# Altium PCB PCB2.PcbDoc (part 4 of 9)
Units mil, origin at the board's own origin, x right, y up, seen from the top; angles counter-clockwise.
Board outline 7580 x 7350 mil, 6 copper layers (Signal 1, Ground 1, 2V5 and 0V6, n2V5 and n0V6, Ground 2, Signal 2), stack 52.268 mil thick; 572 components, 533 nets, 2081 pads, 679 vias.
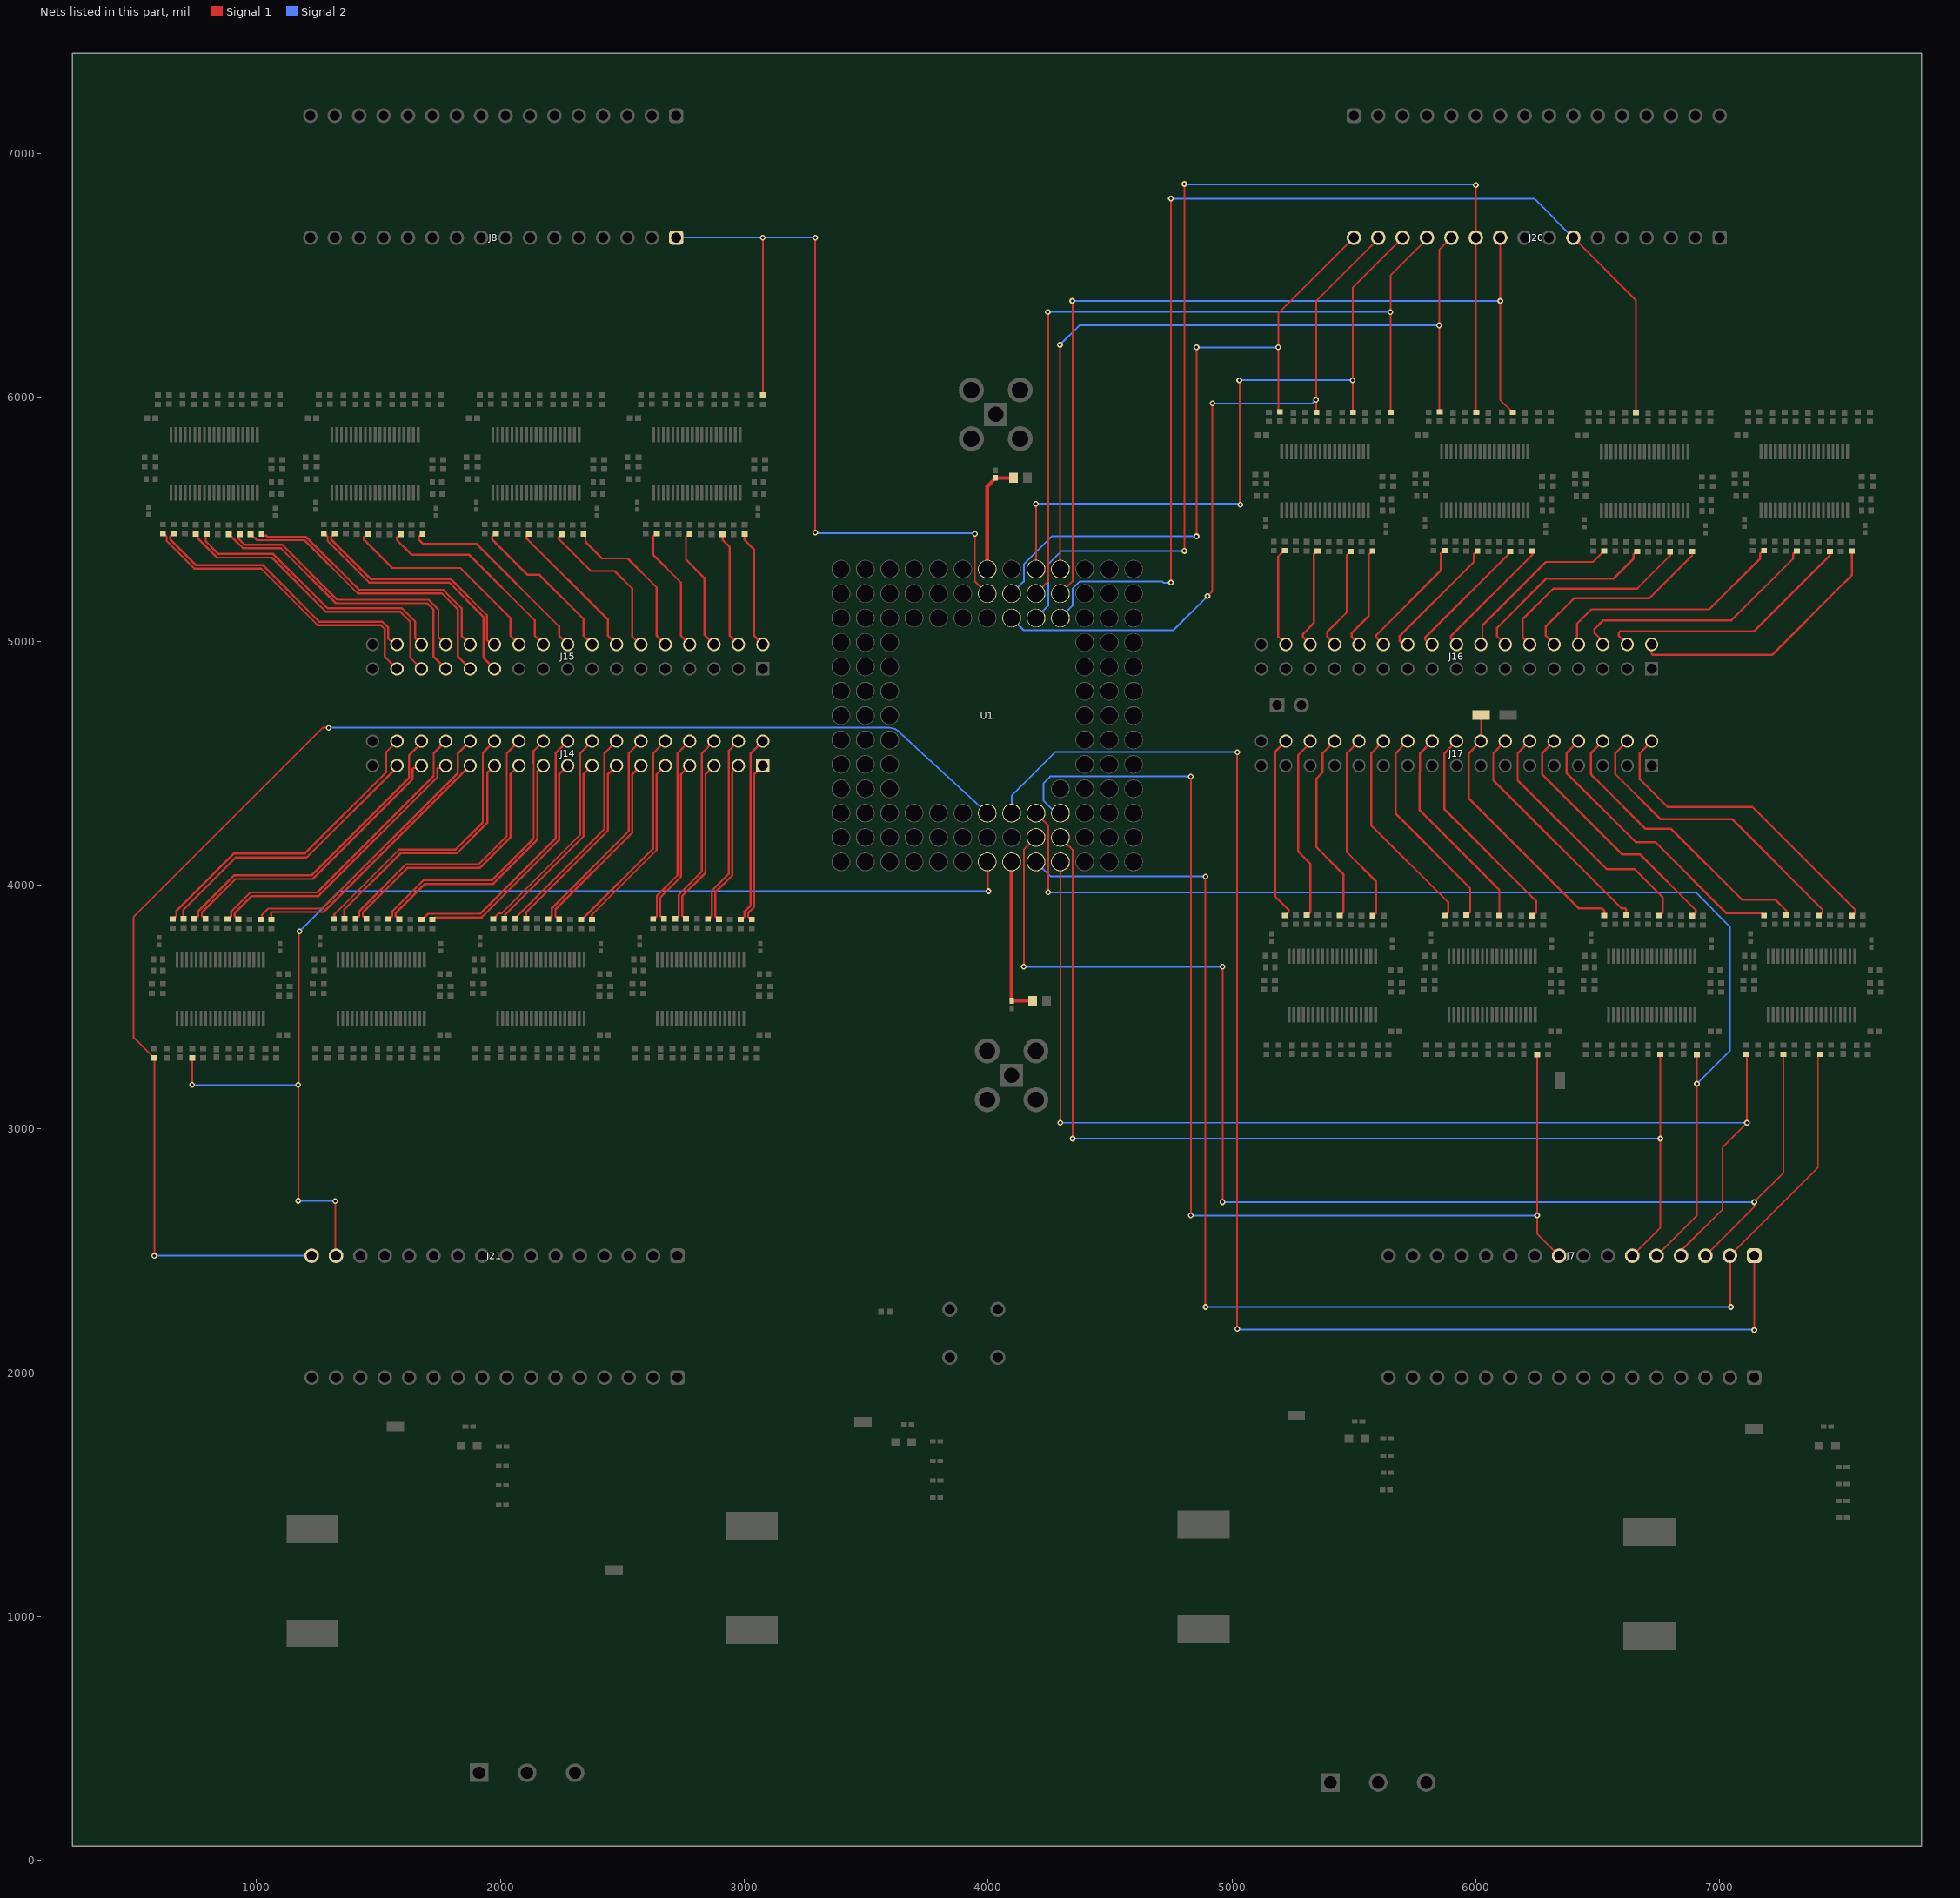
[diagram p8: the nets of this part, all layers, seen from the top]

## Via types
v1: diameter 24, hole 12, Signal 1 to Signal 2, tented both sides, 679 vias

## Nets (pads, with @x,y where several pads share a name; then routed paths per layer and width w, separated by ;. In a path a pad name is that pad's centre, name@x,y a point inside that pad or via, vN(x,y) a via of type N, cw(c..) or ccw(c..) an arc to the next point about the centre after c; other vN are vias at no path point) (continued)
CHN43: J15.23 R28_U_single_ended_to_diff_quad6.1 | length 1038.5
  Signal 1 w8.5: R28_U_single_ended_to_diff_quad6.1@1276.68,5441.1 1283.46,5434.33 1286.95,5434.33 1291.93,5429.35 1291.93,5411.32 1462.76,5240.5 1790.68,5240.5 1930.88,5100.3 1930.88,4972.62 1930.88,4932.46 J15.23@1976.68,4886.65
CHN44: J15.25 R10_U_single_ended_to_diff_quad5.1 | length 1241.5
  Signal 1 w8.5: R10_U_single_ended_to_diff_quad5.1@976.68,5438.31 977.86,5438.31 1002.03,5414.14 1197.04,5414.14 1415.68,5195.5 1760.68,5195.5 1826.68,5129.49 1826.68,4936.65 J15.25@1876.68,4886.65
CHN45: J15.27 R16_U_single_ended_to_diff_quad5.1 | length 1231.5
  Signal 1 w8.5: R16_U_single_ended_to_diff_quad5.1@886.68,5438.31 887.86,5438.31 906.66,5419.51 907.1,5419.51 945.47,5381.14 1100.04,5381.14 1325.68,5155.5 1700.68,5155.5 1726.68,5129.49 1726.68,4936.65 J15.27@1776.68,4886.65
CHN46: J15.29 R22_U_single_ended_to_diff_quad5.1 | length 1246.9
  Signal 1 w8.5: R22_U_single_ended_to_diff_quad5.1@751.68,5440 752.04,5440 758.81,5433.23 758.81,5422.87 838.68,5343 1063.18,5343 1285.68,5120.5 1590.68,5120.5 1631.68,5079.49 1631.68,4931.65 J15.29@1676.68,4886.65
CHN47: J15.31 R28_U_single_ended_to_diff_quad5.1 | length 1266.3
  Signal 1 w8.5: R28_U_single_ended_to_diff_quad5.1@616.68,5441.1 623.46,5434.33 626.95,5434.33 631.93,5429.35 631.93,5411.32 745.76,5297.5 1019.68,5297.5 1251.68,5065.5 1510.68,5065.5 1526.68,5049.49 1526.68,4936.65 J15.31@1576.68,4886.65
CHN48: J14.01 R28_U_single_ended_to_diff_quad4.1 | length 664.4
  Signal 1 w8.5: R28_U_single_ended_to_diff_quad4.1@3031.68,3858.9 3024.91,3865.67 3021.41,3865.67 3016.43,3870.65 3016.43,3885.36 3041.18,3910.11 3041.18,4454.5 J14.01@3076.68,4490
CHN49: J14.03 R22_U_single_ended_to_diff_quad4.1 | length 677.8
  Signal 1 w8.5: R22_U_single_ended_to_diff_quad4.1@2896.68,3860 2889.91,3866.77 2886.41,3866.77 2881.43,3871.75 2881.43,3969.75 2951.18,4039.5 2951.18,4464.5 J14.03@2976.68,4490
CHN50: J14.05 R16_U_single_ended_to_diff_quad4.1 | length 690.4
  Signal 1 w8.5: R16_U_single_ended_to_diff_quad4.1@2761.68,3861.69 2754.91,3868.47 2751.41,3868.47 2746.43,3873.45 2746.43,3954.75 2841.18,4049.5 2841.18,4054.3 2841.68,4054.8 2841.68,4455 J14.05@2876.55,4489.87
CHN51: J14.07 R10_U_single_ended_to_diff_quad4.1 | length 686.5
  Signal 1 w8.5: R10_U_single_ended_to_diff_quad4.1@2671.68,3861.69 2664.91,3868.47 2661.41,3868.47 2656.43,3873.45 2656.43,3949.24 2741.18,4033.99 2741.18,4454.5 J14.07@2776.68,4490
CHN52: J14.09 R28_U_single_ended_to_diff_quad3.1 | length 756.4
  Signal 1 w8.5: R28_U_single_ended_to_diff_quad3.1@2376.68,3858.9 2375.43,3860.15 2375.43,3877.69 2641.18,4143.44 2641.18,4454.5 J14.09@2676.68,4490
CHN53: J14.11 R22_U_single_ended_to_diff_quad3.1 | length 783.4
  Signal 1 w8.5: R22_U_single_ended_to_diff_quad3.1@2241.68,3860 2234.91,3866.77 2231.41,3866.77 2226.43,3871.75 2226.43,3899.75 2541.68,4215 2541.68,4455 J14.11@2576.68,4490
CHN54: J14.13 R16_U_single_ended_to_diff_quad3.1 | length 781.6
  Signal 1 w8.5: R16_U_single_ended_to_diff_quad3.1@2106.68,3861.69 2106.68,3888.68 2441.68,4223.68 2441.68,4455 J14.13@2476.68,4490
CHN55: J14.15 R10_U_single_ended_to_diff_quad3.1 | length 777.7
  Signal 1 w8.5: R10_U_single_ended_to_diff_quad3.1@2016.68,3861.69 2020.91,3865.92 2020.91,3879.23 2341.68,4200 2341.68,4455.54 2376.14,4490 J14.15@2376.68,4490
CHN56: J14.17 R28_U_single_ended_to_diff_quad2.1 | length 974.6
  Signal 1 w8.5: R28_U_single_ended_to_diff_quad2.1@1721.68,3858.9 1728.46,3865.67 1732.62,3865.67 1734.62,3867.67 1924.35,3867.67 2241.18,4184.5 2241.18,4348.94 2241.68,4349.44 2241.68,4455 J14.17@2276.68,4490
CHN57: J14.19 R22_U_single_ended_to_diff_quad2.1 | length 1053.7
  Signal 1 w8.5: R22_U_single_ended_to_diff_quad2.1@1586.68,3860 1579.91,3866.77 1576.41,3866.77 1571.43,3871.75 1571.43,3885.3 1691.13,4005 1971.68,4005 2151.57,4184.89 2151.57,4465.43 2176.14,4490 J14.19@2176.68,4490
CHN58: J14.21 R16_U_single_ended_to_diff_quad2.1 | length 1076.3
  Signal 1 w8.5: R16_U_single_ended_to_diff_quad2.1@1451.68,3861.69 1444.91,3868.47 1441.41,3868.47 1436.43,3873.45 1436.43,3887 1619.44,4070 1916.68,4070 2041.18,4194.5 2041.18,4199.3 2041.68,4199.8 2041.68,4455.54 2076.14,4490 J14.21@2076.68,4490
CHN59: J14.23 R10_U_single_ended_to_diff_quad2.1 | length 1019.5
  Signal 1 w8.5: R10_U_single_ended_to_diff_quad2.1@1361.68,3861.69 1360.43,3862.94 1360.43,3899.92 1591.01,4130.5 1822.18,4130.5 1946.68,4255 1946.68,4460 J14.23@1976.68,4490
CHN60: J14.25 R28_U_single_ended_to_diff_quad1.1 | length 1092.9
  Signal 1 w8.5: R28_U_single_ended_to_diff_quad1.1@1061.68,3858.9 1060.5,3860.08 1060.5,3884.2 1065.48,3889.18 1275.86,3889.18 J14.25@1876.68,4490
CHN61: J14.27 R22_U_single_ended_to_diff_quad1.1 | length 1169.4
  Signal 1 w8.5: R22_U_single_ended_to_diff_quad1.1@926.68,3860 919.91,3866.77 916.41,3866.77 911.43,3871.75 911.43,3885.3 981.13,3955 1254.95,3955 1741.4,4441.45 1741.4,4475.6 1746.95,4481.16 1767.84,4481.16 J14.27@1776.68,4490
CHN62: J14.29 R16_U_single_ended_to_diff_quad1.1 | length 1207.9
  Signal 1 w8.5: R16_U_single_ended_to_diff_quad1.1@791.68,3861.69 784.91,3868.47 781.41,3868.47 776.43,3873.45 776.43,3887 914.44,4025 1231.68,4025 1641.18,4434.5 1641.18,4475.81 1646.52,4481.16 1667.84,4481.16 J14.29@1676.68,4490
CHN63: J14.31 R10_U_single_ended_to_diff_quad1.1 | length 1162.3
  Signal 1 w8.5: R10_U_single_ended_to_diff_quad1.1@701.68,3861.69 700.43,3862.94 700.43,3898.16 915.27,4113 1206.33,4113 1576.68,4483.35 J14.31@1576.68,4490
CHP0: J17.02 R30_U_single_ended_to_diff_quad16.1 | length 1315.4
  Signal 1 w8.5: J17.02@6720.97,4590 6671.68,4540.71 6671.68,4434.49 6785.68,4320.5 7133.6,4320.5 7556.93,3897.17 7556.93,3885.65 7551.95,3880.67 7548.46,3880.67 R30_U_single_ended_to_diff_quad16.1@7541.68,3873.9
CHP1: J17.04 R24_U_single_ended_to_diff_quad16.1 | length 1267.6
  Signal 1 w8.5: J17.04@6620.97,4590 6571.68,4540.71 6571.68,4455.37 6756.55,4270.5 7050.48,4270.5 7421.93,3899.04 7421.93,3887.34 7416.95,3882.36 7413.46,3882.36 R24_U_single_ended_to_diff_quad16.1@7406.68,3875.59
CHP2: J17.06 R18_U_single_ended_to_diff_quad16.1 | length 1211.5
  Signal 1 w8.5: J17.06@6520.97,4590 6471.68,4540.71 6471.68,4455 6506.82,4419.86 6696.18,4230.5 6801.18,4230.5 7091.18,3940.5 7227.92,3940.5 7272.93,3895.49 7272.93,3883.47 7269.64,3880.17 7268.21,3880.17 R18_U_single_ended_to_diff_quad16.1@7271.68,3876.69
CHP3: J17.08 R12_U_single_ended_to_diff_quad16.1 | length 1202.5
  Signal 1 w8.5: J17.08@6420.97,4590 6371.68,4540.71 6371.68,4460 6656.38,4175.3 6736.38,4175.3 7027.32,3884.36 7168.75,3884.36 7170.75,3882.36 7174.91,3882.36 R12_U_single_ended_to_diff_quad16.1@7181.68,3875.59
CHP4: J17.10 R30_U_single_ended_to_diff_quad15.1 | length 1048.7
  Signal 1 w8.5: J17.10@6320.97,4590 6271.68,4540.71 6271.68,4454.49 6601.18,4125 6674.1,4125 6901.93,3897.17 6901.93,3885.65 6896.95,3880.67 6893.46,3880.67 R30_U_single_ended_to_diff_quad15.1@6886.68,3873.9
CHP5: J17.12 R24_U_single_ended_to_diff_quad15.1 | length 1056.8
  Signal 1 w8.5: J17.12@6220.97,4590 6171.68,4540.71 6171.68,4489.67 6171.68,4430 6536.68,4065 6651.18,4065 6766.93,3949.24 6766.93,3887.34 6761.95,3882.36 6758.46,3882.36 R24_U_single_ended_to_diff_quad15.1@6751.68,3875.59
CHP6: J17.14 R18_U_single_ended_to_diff_quad15.1 | length 968.3
  Signal 1 w8.5: J17.14@6120.97,4590 6071.68,4540.71 6071.68,4430 6596.72,3904.97 6611.7,3904.97 6616.68,3899.99 R18_U_single_ended_to_diff_quad15.1@6616.68,3876.69
CHP7: J17.16 R12_U_single_ended_to_diff_quad15.1 TP4.1 | length 1128.8
  Signal 1 w7: J17.16@6020.97,4590 6020.97,4696.97 TP4.1@6022,4698
  Signal 1 w8.5: J17.16@6020.97,4590 5971.68,4540.71 5971.68,4355 6421.68,3905 6516.68,3905 6526.68,3895 R12_U_single_ended_to_diff_quad15.1@6526.68,3875.59
CHP8: J17.18 R30_U_single_ended_to_diff_quad14.1 | length 900.6
  Signal 1 w8.5: J17.18@5920.97,4590 5871.68,4540.71 5871.68,4520.3 5871.38,4520 5871.38,4500.3 5871.67,4500.01 5871.67,4310.06 6246.93,3934.8 6246.93,3885.65 6241.95,3880.67 6238.46,3880.67 R30_U_single_ended_to_diff_quad14.1@6231.68,3873.9
CHP9: J17.20 R24_U_single_ended_to_diff_quad14.1 | length 871.1
  Signal 1 w8.5: J17.20@5820.97,4590 5771.68,4540.71 5771.68,4464.04 5769.68,4462.04 5769.68,4306.98 6096.68,3979.98 R24_U_single_ended_to_diff_quad14.1@6096.68,3875.59
CHP10: J17.22 R18_U_single_ended_to_diff_quad14.1 | length 868.5
  Signal 1 w8.5: J17.22@5720.97,4590 5676.68,4545.71 5676.68,4545 5671.68,4540 5671.68,4291.97 5976.93,3986.72 5976.93,3888.45 5971.95,3883.47 5968.46,3883.47 R18_U_single_ended_to_diff_quad14.1@5961.68,3876.69
CHP11: J17.24 R12_U_single_ended_to_diff_quad14.1 | length 873.8
  Signal 1 w8.5: J17.24@5620.97,4590 5571.68,4540.71 5571.68,4244.49 5886.93,3929.24 5886.93,3887.34 5881.95,3882.36 5878.46,3882.36 R12_U_single_ended_to_diff_quad14.1@5871.68,3875.59
CHP12: J17.26 R30_U_single_ended_to_diff_quad13.1 | length 794.7
  Signal 1 w8.5: J17.26@5520.97,4590 5471.68,4540.71 5471.68,4467.72 5471.68,4134.49 5591.93,4014.24 5591.93,3885.65 5586.95,3880.67 5583.46,3880.67 R30_U_single_ended_to_diff_quad13.1@5576.68,3873.9
CHP13: J17.28 R24_U_single_ended_to_diff_quad13.1 | length 799.2
  Signal 1 w8.5: J17.28@5420.97,4590 5371.68,4540.71 5371.68,4461.75 5346.68,4436.75 5346.68,4155 5456.93,4044.75 5456.93,3887.34 5451.95,3882.36 5448.46,3882.36 R24_U_single_ended_to_diff_quad13.1@5441.68,3875.59
CHP14: J17.30 R18_U_single_ended_to_diff_quad13.1 | length 762.9
  Signal 1 w8.5: R18_U_single_ended_to_diff_quad13.1@5306.68,3876.69 5313.46,3883.47 5316.95,3883.47 5321.93,3888.45 5321.93,4087.35 5271.68,4137.6 5271.68,4532.97 5320.97,4582.26 J17.30@5320.97,4590
CHP15: J17.32 R12_U_single_ended_to_diff_quad13.1 | length 764
  Signal 1 w8.5: R12_U_single_ended_to_diff_quad13.1@5216.68,3875.59 5223.46,3882.36 5226.95,3882.36 5231.93,3887.34 5231.93,3898.86 5176.68,3954.11 5176.68,4545.71 J17.32@5220.97,4590
CHP16: J16.02 R12_U_single_ended_to_diff_quad12.1 | length 1119.4
  Signal 1 w8.5: J16.02@6720.97,4986.65 6720.97,4948.88 6725.95,4943.9 7215.08,4943.9 7515.68,5244.5 7516.18,5244.5 7541.68,5270 R12_U_single_ended_to_diff_quad12.1@7541.68,5369.41 7541.68,5345
CHP17: J16.04 R18_U_single_ended_to_diff_quad12.1 | length 1075
  Signal 1 w8.5: J16.04@6620.97,4986.65 6586.68,5020.95 6586.68,5035.02 6591.66,5040 6865.51,5040 6865.76,5040.25 7139.68,5040.25 7451.68,5352.25 R18_U_single_ended_to_diff_quad12.1@7451.68,5368.31
CHP18: J16.06 R24_U_single_ended_to_diff_quad12.1 | length 1051.1
  Signal 1 w8.5: J16.06@6520.97,4986.65 6520.97,4999.16 6486.18,5033.95 6486.18,5048.99 6522.69,5085.5 7048.24,5085.5 7301.43,5338.69 7301.43,5357.66 7306.41,5362.64 7309.91,5362.64 R24_U_single_ended_to_diff_quad12.1@7316.68,5369.41
CHP19: J16.08 R30_U_single_ended_to_diff_quad12.1 | length 989.6
  Signal 1 w8.5: J16.08@6420.97,4986.65 6415.04,4992.59 6415.04,5071.71 6473.83,5130.5 6957.14,5130.5 7166.43,5339.79 7166.43,5359.35 7171.41,5364.33 7174.91,5364.33 R30_U_single_ended_to_diff_quad12.1@7181.68,5371.1
CHP20: J16.10 R12_U_single_ended_to_diff_quad11.1 | length 825.4
  Signal 1 w8.5: J16.10@6320.97,4986.65 6320.97,4988.3 6286.18,5023.09 6286.18,5058.99 6402.69,5175.5 6711.04,5175.5 6886.68,5351.15 R12_U_single_ended_to_diff_quad11.1@6886.68,5368.31
CHP21: J16.12 R18_U_single_ended_to_diff_quad11.1 | length 844.4
  Signal 1 w8.5: J16.12@6220.97,4986.65 6191.68,5015.95 6191.68,5089.49 6317.69,5215.5 6661.04,5215.5 6796.68,5351.15 R18_U_single_ended_to_diff_quad11.1@6796.68,5367.2
CHP22: J16.14 R24_U_single_ended_to_diff_quad11.1 | length 798.1
  Signal 1 w8.5: J16.14@6120.97,4986.65 6086.68,5020.95 6086.68,5054.49 6288.9,5256.71 6565.55,5256.71 6646.43,5337.59 6646.43,5356.55 6651.41,5361.53 6654.91,5361.53 R24_U_single_ended_to_diff_quad11.1@6661.68,5368.31
CHP23: J16.16 R30_U_single_ended_to_diff_quad11.1 | length 706.7
  Signal 1 w8.5: J16.16@6020.97,4986.65 6026.94,4992.61 6026.94,5064.75 6287.41,5325.22 6480.72,5325.22 6525.5,5370 R30_U_single_ended_to_diff_quad11.1@6526.68,5370
CHP24: J16.18 R12_U_single_ended_to_diff_quad10.1 | length 531.6
  Signal 1 w8.5: J16.18@5920.97,4986.65 5920.97,4987.76 5896.68,5012.05 5896.68,5019.51 6231.68,5354.51 R12_U_single_ended_to_diff_quad10.1@6231.68,5369.41
CHP25: J16.20 R18_U_single_ended_to_diff_quad10.1 | length 542.9
  Signal 1 w8.5: J16.20@5820.97,4986.65 5812.08,4986.65 5791.68,5007.05 5791.68,5014.49 R18_U_single_ended_to_diff_quad10.1@6143.59,5366.4
CHP26: J16.22 R24_U_single_ended_to_diff_quad10.1 | length 542.6
  Signal 1 w8.5: J16.22@5720.97,4986.65 5712.13,4995.5 5693.23,4995.5 5686.68,5002.05 5686.68,5019.49 5991.43,5324.24 5991.43,5357.66 5996.41,5362.64 5999.91,5362.64 R24_U_single_ended_to_diff_quad10.1@6006.68,5369.41
CHP27: J16.24 R30_U_single_ended_to_diff_quad10.1 | length 515.2
  Signal 1 w8.5: J16.24@5620.97,4986.65 5590.93,5016.7 5590.93,5023.74 5856.43,5289.24 5856.43,5359.35 5861.41,5364.33 5864.91,5364.33 R30_U_single_ended_to_diff_quad10.1@5871.68,5371.1
CHP28: J16.26 R12_U_single_ended_to_diff_quad9.1 | length 430.1
  Signal 1 w8.5: J16.26@5520.97,4986.65 5491.68,5015.95 5491.68,5034.49 5561.43,5104.24 5561.43,5354.16 R12_U_single_ended_to_diff_quad9.1@5576.68,5369.41
CHP29: J16.28 R18_U_single_ended_to_diff_quad9.1 | length 433.1
  Signal 1 w8.5: J16.28@5420.97,4986.65 5391.68,5015.95 5391.68,5039.49 5471.43,5119.24 5471.43,5353.06 R18_U_single_ended_to_diff_quad9.1@5486.68,5368.31
CHP30: J16.30 R24_U_single_ended_to_diff_quad9.1 | length 421.8
  Signal 1 w8.5: J16.30@5320.97,4986.65 5291.68,5015.95 5291.68,5030 5336.43,5074.75 5336.43,5357.66 5341.41,5362.64 5344.91,5362.64 R24_U_single_ended_to_diff_quad9.1@5351.68,5369.41
CHP31: J16.32 R30_U_single_ended_to_diff_quad9.1 | length 410.8
  Signal 1 w8.5: R30_U_single_ended_to_diff_quad9.1@5216.68,5371.1 5209.91,5364.33 5206.41,5364.33 5189.5,5347.42 5189.5,5019.29 5220.97,4987.82 J16.32@5220.97,4986.65
CHP32: J15.02 R12_U_single_ended_to_diff_quad8.1 | length 483.8
  Signal 1 w8.5: R12_U_single_ended_to_diff_quad8.1@3001.68,5439.41 3001.68,5415 3041.18,5375.5 3041.18,5022.15 J15.02@3076.68,4986.65
CHP33: J15.04 R18_U_single_ended_to_diff_quad8.1 | length 478.6
  Signal 1 w8.5: R18_U_single_ended_to_diff_quad8.1@2911.68,5438.31 2911.68,5415 2941.18,5385.5 2941.18,5022.15 J15.04@2976.68,4986.65
CHP34: J15.06 R24_U_single_ended_to_diff_quad8.1 | length 508.9
  Signal 1 w8.5: R24_U_single_ended_to_diff_quad8.1@2776.68,5439.41 2769.91,5432.64 2766.41,5432.64 2761.43,5427.66 2761.43,5334.73 2836.68,5259.48 2836.68,5026.65 J15.06@2876.68,4986.65
CHP35: J15.08 R30_U_single_ended_to_diff_quad8.1 | length 525
  Signal 1 w8.5: R30_U_single_ended_to_diff_quad8.1@2641.68,5441.1 2634.91,5434.33 2631.41,5434.33 2626.43,5429.35 2626.43,5355.25 2741.18,5240.5 2741.18,5022.15 J15.08@2776.68,4986.65
CHP36: J15.10 R12_U_single_ended_to_diff_quad7.1 | length 653.7
  Signal 1 w8.5: R12_U_single_ended_to_diff_quad7.1@2341.68,5439.41 2342.86,5439.41 2349.64,5432.64 2349.64,5407.05 2417.18,5339.5 2522.19,5339.5 2641.19,5220.5 2641.19,5215.69 2641.68,5215.2 2641.68,5021.65 J15.10@2676.68,4986.65
CHP37: J15.12 R18_U_single_ended_to_diff_quad7.1 | length 655.6
  Signal 1 w8.5: R18_U_single_ended_to_diff_quad7.1@2251.68,5438.31 2250.5,5438.31 2239.8,5427.6 2239.8,5419.51 2371.91,5287.4 2469.29,5287.4 2541.18,5215.5 2541.18,5019.16 2573.69,4986.65 J15.12@2576.68,4986.65
CHP38: J15.14 R24_U_single_ended_to_diff_quad7.1 | length 609.4
  Signal 1 w8.5: R24_U_single_ended_to_diff_quad7.1@2116.68,5439.41 2115.5,5439.41 2108.73,5432.64 2108.73,5427.91 2108.47,5427.66 2108.47,5420.62 2441.68,5087.41 2441.68,5021.65 J15.14@2476.68,4986.65
CHP39: J15.16 R30_U_single_ended_to_diff_quad7.1 | length 661.4
  Signal 1 w8.5: R30_U_single_ended_to_diff_quad7.1@1981.68,5441.1 1974.91,5434.33 1971.41,5434.33 1966.43,5429.35 1966.43,5417.33 2111.96,5271.8 2160.91,5271.8 2341.68,5091.03 2341.68,5021.65 J15.16@2376.68,4986.65
CHP40: J15.18 R12_U_single_ended_to_diff_quad6.1 | length 842.5
  Signal 1 w8.5: R12_U_single_ended_to_diff_quad6.1@1681.68,5439.41 1674.91,5432.64 1671.41,5432.64 1666.43,5427.66 1666.43,5415.64 1682.07,5400 1901.68,5400 2241.68,5060 2241.68,5021.65 J15.18@2276.68,4986.65
CHP41: J15.20 R18_U_single_ended_to_diff_quad6.1 | length 846.7
  Signal 1 w8.5: R18_U_single_ended_to_diff_quad6.1@1591.68,5438.31 1584.91,5431.53 1581.41,5431.53 1576.43,5426.55 1576.43,5414.53 1635.97,5355 1871.68,5355 2141.68,5085 2141.68,5021.78 2176.68,4986.78 J15.20@2176.68,4986.65
CHP42: J15.22 R24_U_single_ended_to_diff_quad6.1 | length 888
  Signal 1 w8.5: R24_U_single_ended_to_diff_quad6.1@1456.68,5439.41 1449.91,5432.64 1446.41,5432.64 1441.43,5427.66 1441.43,5415.64 1557.07,5300 1836.68,5300 2041.68,5095 2041.68,5021.65 J15.22@2076.68,4986.65
CHP43: J15.24 R30_U_single_ended_to_diff_quad6.1 | length 940.1
  Signal 1 w8.5: R30_U_single_ended_to_diff_quad6.1@1321.68,5441.1 1314.91,5434.33 1311.41,5434.33 1306.43,5429.35 1306.43,5417.33 1468.76,5255 1796.68,5255 1945.38,5106.3 1945.38,5005.04 1950.36,5000.06 1950.77,5000.06 1964.17,4986.65 J15.24@1976.68,4986.65
CHP44: J15.26 R12_U_single_ended_to_diff_quad5.1 | length 1108.9
  Signal 1 w8.5: R12_U_single_ended_to_diff_quad5.1@1021.68,5439.41 1028.46,5432.64 1041.29,5432.64 1045.29,5428.64 1203.05,5428.64 1421.68,5210 1766.68,5210 1841.68,5135 1841.68,5021.65 J15.26@1876.68,4986.65
CHP45: J15.28 R18_U_single_ended_to_diff_quad5.1 | length 1115.3
  Signal 1 w8.5: R18_U_single_ended_to_diff_quad5.1@931.68,5438.31 927.6,5434.23 927.6,5419.51 951.48,5395.64 1106.05,5395.64 1331.68,5170 1706.68,5170 1746.68,5130 1746.68,5016.65 J15.28@1776.68,4986.65
CHP46: J15.30 R24_U_single_ended_to_diff_quad5.1 | length 1130.8
  Signal 1 w8.5: R24_U_single_ended_to_diff_quad5.1@796.68,5439.41 792.6,5435.33 792.6,5409.59 844.69,5357.5 1069.18,5357.5 1291.68,5135 1596.68,5135 1651.68,5080 1651.68,5011.65 J15.30@1676.68,4986.65
CHP47: J15.32 R30_U_single_ended_to_diff_quad5.1 | length 1167.1
  Signal 1 w8.5: R30_U_single_ended_to_diff_quad5.1@661.68,5441.1 654.91,5434.33 651.41,5434.33 646.43,5429.35 646.43,5417.33 751.76,5312 1025.69,5312 1257.69,5080 1516.68,5080 1541.18,5055.5 1541.18,5010.5 1565.03,4986.65 J15.32@1576.68,4986.65
CHP48: J14.02 R30_U_single_ended_to_diff_quad4.1 | length 770.4
  Signal 1 w8.5: R30_U_single_ended_to_diff_quad4.1@2986.68,3858.9 2993.46,3865.67 2996.95,3865.67 3001.93,3870.65 3001.93,3891.37 3026.68,3916.12 3026.68,4540 J14.02@3076.68,4590
CHP49: J14.04 R24_U_single_ended_to_diff_quad4.1 | length 783.2
  Signal 1 w8.5: R24_U_single_ended_to_diff_quad4.1@2851.68,3860.59 2858.46,3867.36 2861.95,3867.36 2866.93,3872.34 2866.93,3975.76 2936.68,4045.51 2936.68,4434.72 2936.68,4550 J14.04@2976.68,4590
CHP50: J14.06 R18_U_single_ended_to_diff_quad4.1 | length 796.6
  Signal 1 w8.5: R18_U_single_ended_to_diff_quad4.1@2716.68,3861.69 2723.46,3868.47 2726.95,3868.47 2731.93,3873.45 2731.93,3960.76 2826.68,4055.51 2826.68,4540 J14.06@2876.68,4590
CHP51: J14.08 R12_U_single_ended_to_diff_quad4.1 | length 793.6
  Signal 1 w8.5: R12_U_single_ended_to_diff_quad4.1@2626.68,3860.59 2633.46,3867.36 2636.95,3867.36 2641.93,3872.34 2641.93,3955.25 2726.68,4040 2726.68,4540 J14.08@2776.68,4590
CHP52: J14.10 R30_U_single_ended_to_diff_quad3.1 | length 876.6
  Signal 1 w8.5: R30_U_single_ended_to_diff_quad3.1@2331.68,3858.9 2338.46,3865.67 2342.9,3865.67 2626.68,4149.45 2626.68,4540 J14.10@2676.68,4590
CHP53: J14.12 R24_U_single_ended_to_diff_quad3.1 | length 888.9
  Signal 1 w8.5: R24_U_single_ended_to_diff_quad3.1@2196.68,3860.59 2203.46,3867.36 2206.95,3867.36 2211.93,3872.34 2211.93,3905.76 2527.18,4221.01 2527.18,4540.5 J14.12@2576.68,4590
CHP54: J14.14 R18_U_single_ended_to_diff_quad3.1 | length 900.9
  Signal 1 w8.5: R18_U_single_ended_to_diff_quad3.1@2061.68,3861.69 2062.86,3861.69 2069.64,3868.47 2069.64,3872.14 2427.18,4229.69 2427.18,4540.5 J14.14@2476.68,4590
CHP55: J14.16 R12_U_single_ended_to_diff_quad3.1 | length 904.5
  Signal 1 w8.5: R12_U_single_ended_to_diff_quad3.1@1971.68,3860.59 1972.86,3860.59 1979.64,3867.36 1979.64,3869.75 1994.85,3884.97 2006.14,3884.97 2327.18,4206.01 2327.18,4540.5 J14.16@2376.68,4590
CHP56: J14.18 R30_U_single_ended_to_diff_quad2.1 | length 1107.6
  Signal 1 w8.5: R30_U_single_ended_to_diff_quad2.1@1676.68,3858.9 1683.46,3865.67 1687.9,3865.67 1704.4,3882.17 1918.35,3882.17 2226.68,4190.51 2226.68,4540 J14.18@2276.68,4590
CHP57: J14.20 R24_U_single_ended_to_diff_quad2.1 | length 1159
  Signal 1 w8.5: R24_U_single_ended_to_diff_quad2.1@1541.68,3860.59 1548.46,3867.36 1551.95,3867.36 1556.93,3872.34 1556.93,3891.31 1685.12,4019.5 1965.68,4019.5 2137.07,4190.89 2137.07,4499.55 2136.81,4499.81 2136.81,4550.13 J14.20@2176.68,4590
CHP58: J14.22 R18_U_single_ended_to_diff_quad2.1 | length 1182
  Signal 1 w8.5: R18_U_single_ended_to_diff_quad2.1@1406.68,3861.69 1413.46,3868.47 1416.95,3868.47 1421.93,3873.45 1421.93,3893 1613.43,4084.5 1910.68,4084.5 2026.68,4200.51 2026.68,4540 J14.22@2076.68,4590
CHP59: J14.24 R12_U_single_ended_to_diff_quad2.1 | length 1138.2
  Signal 1 w8.5: R12_U_single_ended_to_diff_quad2.1@1316.68,3860.59 1319.38,3863.29 1319.38,3879.38 1585,4145 1816.18,4145 1928.46,4257.28 1928.46,4541.77 J14.24@1976.68,4590
CHP60: J14.26 R30_U_single_ended_to_diff_quad1.1 | length 1216.9
  Signal 1 w8.5: R30_U_single_ended_to_diff_quad1.1@1016.68,3858.9 1022.42,3864.63 1022.42,3877.42 1048.68,3903.68 1065.48,3903.68 1269.86,3903.68 1826.68,4460.51 1826.68,4540 J14.26@1876.68,4590
CHP61: J14.28 R24_U_single_ended_to_diff_quad1.1 | length 1262.6
  Signal 1 w8.5: R24_U_single_ended_to_diff_quad1.1@881.68,3860.59 888.46,3867.36 891.95,3867.36 896.93,3872.34 896.93,3891.31 975.12,3969.5 1248.94,3969.5 1726.9,4447.46 1726.9,4540.21 J14.28@1776.68,4590
CHP62: J14.30 R18_U_single_ended_to_diff_quad1.1 | length 1301.4
  Signal 1 w8.5: R18_U_single_ended_to_diff_quad1.1@746.68,3861.69 753.46,3868.47 756.95,3868.47 761.93,3873.45 761.93,3893 908.43,4039.5 1225.68,4039.5 1626.68,4440.51 1626.68,4533.21 1676.68,4583.21 J14.30@1676.68,4590
CHP63: J14.32 R12_U_single_ended_to_diff_quad1.1 | length 1282.7
  Signal 1 w8.5: R12_U_single_ended_to_diff_quad1.1@656.68,3860.59 663.46,3867.36 666.37,3867.36 671.35,3872.34 671.35,3892.42 908.43,4129.5 1199.5,4129.5 1531.68,4461.68 1531.68,4545 J14.32@1576.68,4590
D1: J7.4 R11_U_single_ended_to_diff_quad16.1 U1.D1 | length 4807.1
  Signal 1 w7: v1(4295.74,3025.19) 4296.5,3025.19 4296.68,3025 U1.D1@4296.68,4095 ; J7.4@6841.68,2500 7011.68,2670 7011.68,2925 v1(7111.68,3025) 7111.68,3301.1 R11_U_single_ended_to_diff_quad16.1@7106.68,3306.1
  Signal 2 w7: v1(4295.74,3025.19) 7111.5,3025.19 v1(7111.68,3025)
D2: J7.6 R23_U_single_ended_to_diff_quad15.1 U1.D2 | length 4539.4
  Signal 1 w7: U1.D2@4296.68,4195 4346.68,4145 v1(4346.68,2960) ; J7.6@6641.68,2480 6756.68,2595 v1(6756.68,2960) R23_U_single_ended_to_diff_quad15.1@6756.68,3306.1
  Signal 2 w7: v1(4346.68,2960) v1(6756.68,2960)
D3: J7.9 R27_U_single_ended_to_diff_quad14.1 U1.D3 | length 4859.7
  Signal 1 w7: v1(4831.68,2645) v1(4831.68,4445) ; R27_U_single_ended_to_diff_quad14.1@6251.68,3305.15 v1(6251.68,2645) 6251.68,2570 J7.9@6341.68,2480
  Signal 2 w7: U1.D3@4296.68,4295 4278.06,4295 4227.9,4345.16 4227.9,4417.9 4255,4445 v1(4831.68,4445) ; v1(4831.68,2645) v1(6251.68,2645)
D11: J20.7 R23_U_single_ended_to_diff_quad11.1 U1.D11 | length 4675.6
  Signal 1 w7: v1(4750,5240) v1(4750,6815) ; J20.7@6400,6655 6656.68,6398.32 R23_U_single_ended_to_diff_quad11.1@6656.68,5937.8
  Signal 2 w7: U1.D11@4296.68,5095 4346.68,5145 4346.68,5215.71 4375.97,5245 4714,5245 4719,5240 v1(4750,5240) ; v1(4750,6815) 6240,6815 J20.7@6401.33,6653.67
D12: J20.10 R17_U_single_ended_to_diff_quad10.1 U1.D12 | length 3725.5
  Signal 1 w7: U1.D12@4296.68,5195 4346.68,5245 4346.68,6393.32 v1(4345,6395) ; J20.10@6100,6660 J20.10@6100,6655 v1(6100,6395) 6100,5989.4 R17_U_single_ended_to_diff_quad10.1@6150.5,5938.9 ; R17_U_single_ended_to_diff_quad10.1@6151.68,5938.9 R17_U_single_ended_to_diff_quad10.1@6156.68,5943.9
  Signal 2 w7: v1(4345,6395) v1(6100,6395)
D13: J20.12 R27_U_single_ended_to_diff_quad10.1 U1.D13 | length 3245.4
  Signal 1 w7: v1(4295,6215) 4295.84,6214.16 4295.84,5295.84 U1.D13@4296.68,5295 ; R27_U_single_ended_to_diff_quad10.1@5851.68,5939.85 5850,5941.53 v1(5850,6295) 5850,6605 J20.12@5900,6655
  Signal 2 w7: v1(4295,6215) 4375,6295 v1(5850,6295)
E1: J7.2 R23_U_single_ended_to_diff_quad16.1 U1.E1 | length 5848.4
  Signal 1 w7: v1(4891.68,2270) v1(4891.68,4035) ; J7.2@7041.68,2480 7402.98,2841.3 7402.98,3298.58 7410.5,3306.1 R23_U_single_ended_to_diff_quad16.1@7411.68,3306.1 ; J7.2@7044.18,2497.5 7044.18,2480 7044.18,2272.5 v1(7046.68,2270)
  Signal 2 w7: U1.E1@4196.68,4095 4256.68,4035 v1(4891.68,4035) ; v1(4891.68,2270) v1(7046.68,2270)
E2: J7.3 R17_U_single_ended_to_diff_quad16.1 U1.E2 | length 5469.4
  Signal 1 w7: v1(4146.68,3665) 4146.68,4145 U1.E2@4196.68,4195 ; v1(4961.68,2700) v1(4961.68,3665) ; J7.3@6941.68,2480 7141.68,2680 v1(7141.68,2700) 7261.68,2820 R17_U_single_ended_to_diff_quad16.1@7261.68,3306.1
  Signal 2 w7: v1(4146.68,3665) v1(4961.68,3665) ; v1(4961.68,2700) v1(7141.68,2700)
E3: J7.5 R27_U_single_ended_to_diff_quad15.1 U1.E3 | length 4793.1
  Signal 1 w7: U1.E3@4196.68,4295 4246.68,4245 v1(4246.68,3970) ; J7.5@6741.68,2480 6906.68,2645 v1(6906.68,3185) R27_U_single_ended_to_diff_quad15.1@6906.68,3305.15
  Signal 2 w7: v1(4246.68,3970) 6901.68,3970 7041.68,3830 7041.68,3320 v1(6906.68,3185)
E11: J20.11 R23_U_single_ended_to_diff_quad10.1 U1.E11 | length 4453.7
  Signal 1 w7: v1(4805,5370) v1(4805,6875) ; R23_U_single_ended_to_diff_quad10.1@6000,5940.58 v1(6000,6870)
  Signal 2 w7: U1.E11@4196.68,5095 4246.68,5145 4246.68,5315.71 4300.97,5370 v1(4805,5370) ; v1(4805,6875) 4807.5,6872.5 5997.5,6872.5 v1(6000,6870)
E12: J20.13 R11_U_single_ended_to_diff_quad9.1 U1.E12 | length 3353
  Signal 1 w7: U1.E12@4196.68,5195 4246.68,5245 4246.68,6348.32 v1(4245,6350) ; R11_U_single_ended_to_diff_quad9.1@5650,5940.58 v1(5650,6350) 5650,6500 J20.13@5800,6650
  Signal 2 w7: v1(4245,6350) v1(5650,6350)
E13: J20.14 R17_U_single_ended_to_diff_quad9.1 U1.E13 | length 2891.5
  Signal 1 w7: U1.E13@4196.68,5295 v1(4196.68,5563.32) ; v1(5030,6070) 5032.5,6067.5 5032.5,5562.5 v1(5035,5560) ; R17_U_single_ended_to_diff_quad9.1@5495,5940.58 v1(5495,6070) 5495,6450 J20.14@5700,6655 ; R17_U_single_ended_to_diff_quad9.1@5496.68,5938.9 R17_U_single_ended_to_diff_quad9.1@5501.68,5943.9
  Signal 2 w7: v1(4196.68,5563.32) 5031.68,5563.32 v1(5035,5560) ; v1(5030,6070) v1(5495,6070)
F1: C11.2 R3.2 U1.F1 | length 658.3
  Signal 1 w14.78: U1.F1@4096.68,4095 C11.2@4096.68,3525.35 4177.78,3525.35 R3.2@4183.14,3520
F3: J7.1 U1.F3 | length 5862.6
  Signal 1 w7: v1(5021.68,2180) v1(5021.68,4545) ; v1(7141.68,2175) J7.1@7141.68,2480
  Signal 2 w7: U1.F3@4096.68,4295 4096.68,4366.68 4275,4545 v1(5021.68,4545) ; v1(5021.68,2180) 5024.18,2177.5 7139.18,2177.5 v1(7141.68,2175)
F11: J20.15 R23_U_single_ended_to_diff_quad9.1 U1.F11 | length 2928.9
  Signal 1 w7: v1(4900,5185) 4920,5205 v1(4920,5975) ; R23_U_single_ended_to_diff_quad9.1@5346.68,5938.9 5345,5940.58 v1(5345,5990) 5345,6395 J20.15@5600,6650
  Signal 2 w7: U1.F11@4096.68,5095 4146.68,5045 4760,5045 v1(4900,5185) ; v1(4920,5975) 5328.18,5975 5343.18,5990 v1(5345,5990)
F12: J20.16 R27_U_single_ended_to_diff_quad9.1 U1.F12 | length 2851
  Signal 1 w7: v1(4855,5430) v1(4855,6205) ; R27_U_single_ended_to_diff_quad9.1@5195,5941.53 5190,5946.53 v1(5190,6205) 5190,6345 J20.16@5500,6655
  Signal 2 w7: U1.F12@4096.68,5195 4146.68,5245 4146.68,5315.71 4260.97,5430 v1(4855,5430) ; v1(4855,6205) v1(5190,6205)
G1: J21.15 R17_U_single_ended_to_diff_quad1.1 U1.G1 | length 5063.5
  Signal 1 w7: v1(736.68,3180) R17_U_single_ended_to_diff_quad1.1@736.68,3291.1 ; v1(1171.68,2705) v1(1171.68,3180) 1174.39,3182.7 1174.39,3807.7 v1(1176.68,3810) ; v1(1322.7,2703.79) 1324.69,2701.8 1324.69,2481.99 J21.15@1326.68,2480 ; U1.G1@3996.68,4095 3999.18,4092.5 3999.18,3977.5 v1(4001.68,3975)
  Signal 2 w7: v1(736.68,3180) v1(1171.68,3180) ; v1(1171.68,2705) 1331.68,2705 1330.47,2703.79 v1(1322.7,2703.79) ; v1(1176.68,3810) 1341.57,3974.89 4001.57,3974.89 v1(4001.68,3975)
G3: J21.16 R11_U_single_ended_to_diff_quad1.1 U1.G3 | length 6033.2
  Signal 1 w7: R11_U_single_ended_to_diff_quad1.1@580.54,3290.54 496.68,3374.41 496.68,3870 1271.68,4645 v1(1296.68,4645) ; v1(581.68,2480) R11_U_single_ended_to_diff_quad1.1@581.68,3291.1 R11_U_single_ended_to_diff_quad1.1@586.68,3286.1
  Signal 2 w7: v1(581.68,2480) J21.16@1226.68,2480 ; v1(1296.68,4645) 3396.78,4645 3496.68,4645 3596.62,4645 cw(c3596.68,4595) 3630.57,4631.77 3631.16,4631.77 3637.82,4625.1 ; 3637.84,4625.08 ccw(c3642.77,4630.05) 3638.01,4624.92 ; 3638.03,4624.9 U1.G3@3996.68,4295
G12: J8.1 R11_U_single_ended_to_diff_quad8.1 U1.G12 | length 3348.9
  Signal 1 w7: R11_U_single_ended_to_diff_quad8.1@3076.68,6008.9 3076.68,6285 v1(3076.68,6655) ; v1(3291.68,5445) v1(3291.68,6655) ; 3946.68,5245 v1(3946.68,5440)
  Signal 1 w8: 3946.68,5245 U1.G12@3996.68,5195
  Signal 2 w7: J8.1@2721.68,6655 v1(3291.68,6655) ; v1(3291.68,5445) 3294.18,5442.5 3944.18,5442.5 v1(3946.68,5440)
G13: C12.2 R4.2 U1.G13 | length 463.4
  Signal 1 w14.78: U1.G13@3996.68,5295 3996.68,5633.63 4028.27,5665.22 4030.02,5665.22 4032.04,5667.24 4032.04,5669.29 C12.2@4031.68,5669.65 R4.2@4104.65,5669.65